# Altium PCB BW1097.PcbDoc (part 2 of 7) (continued)
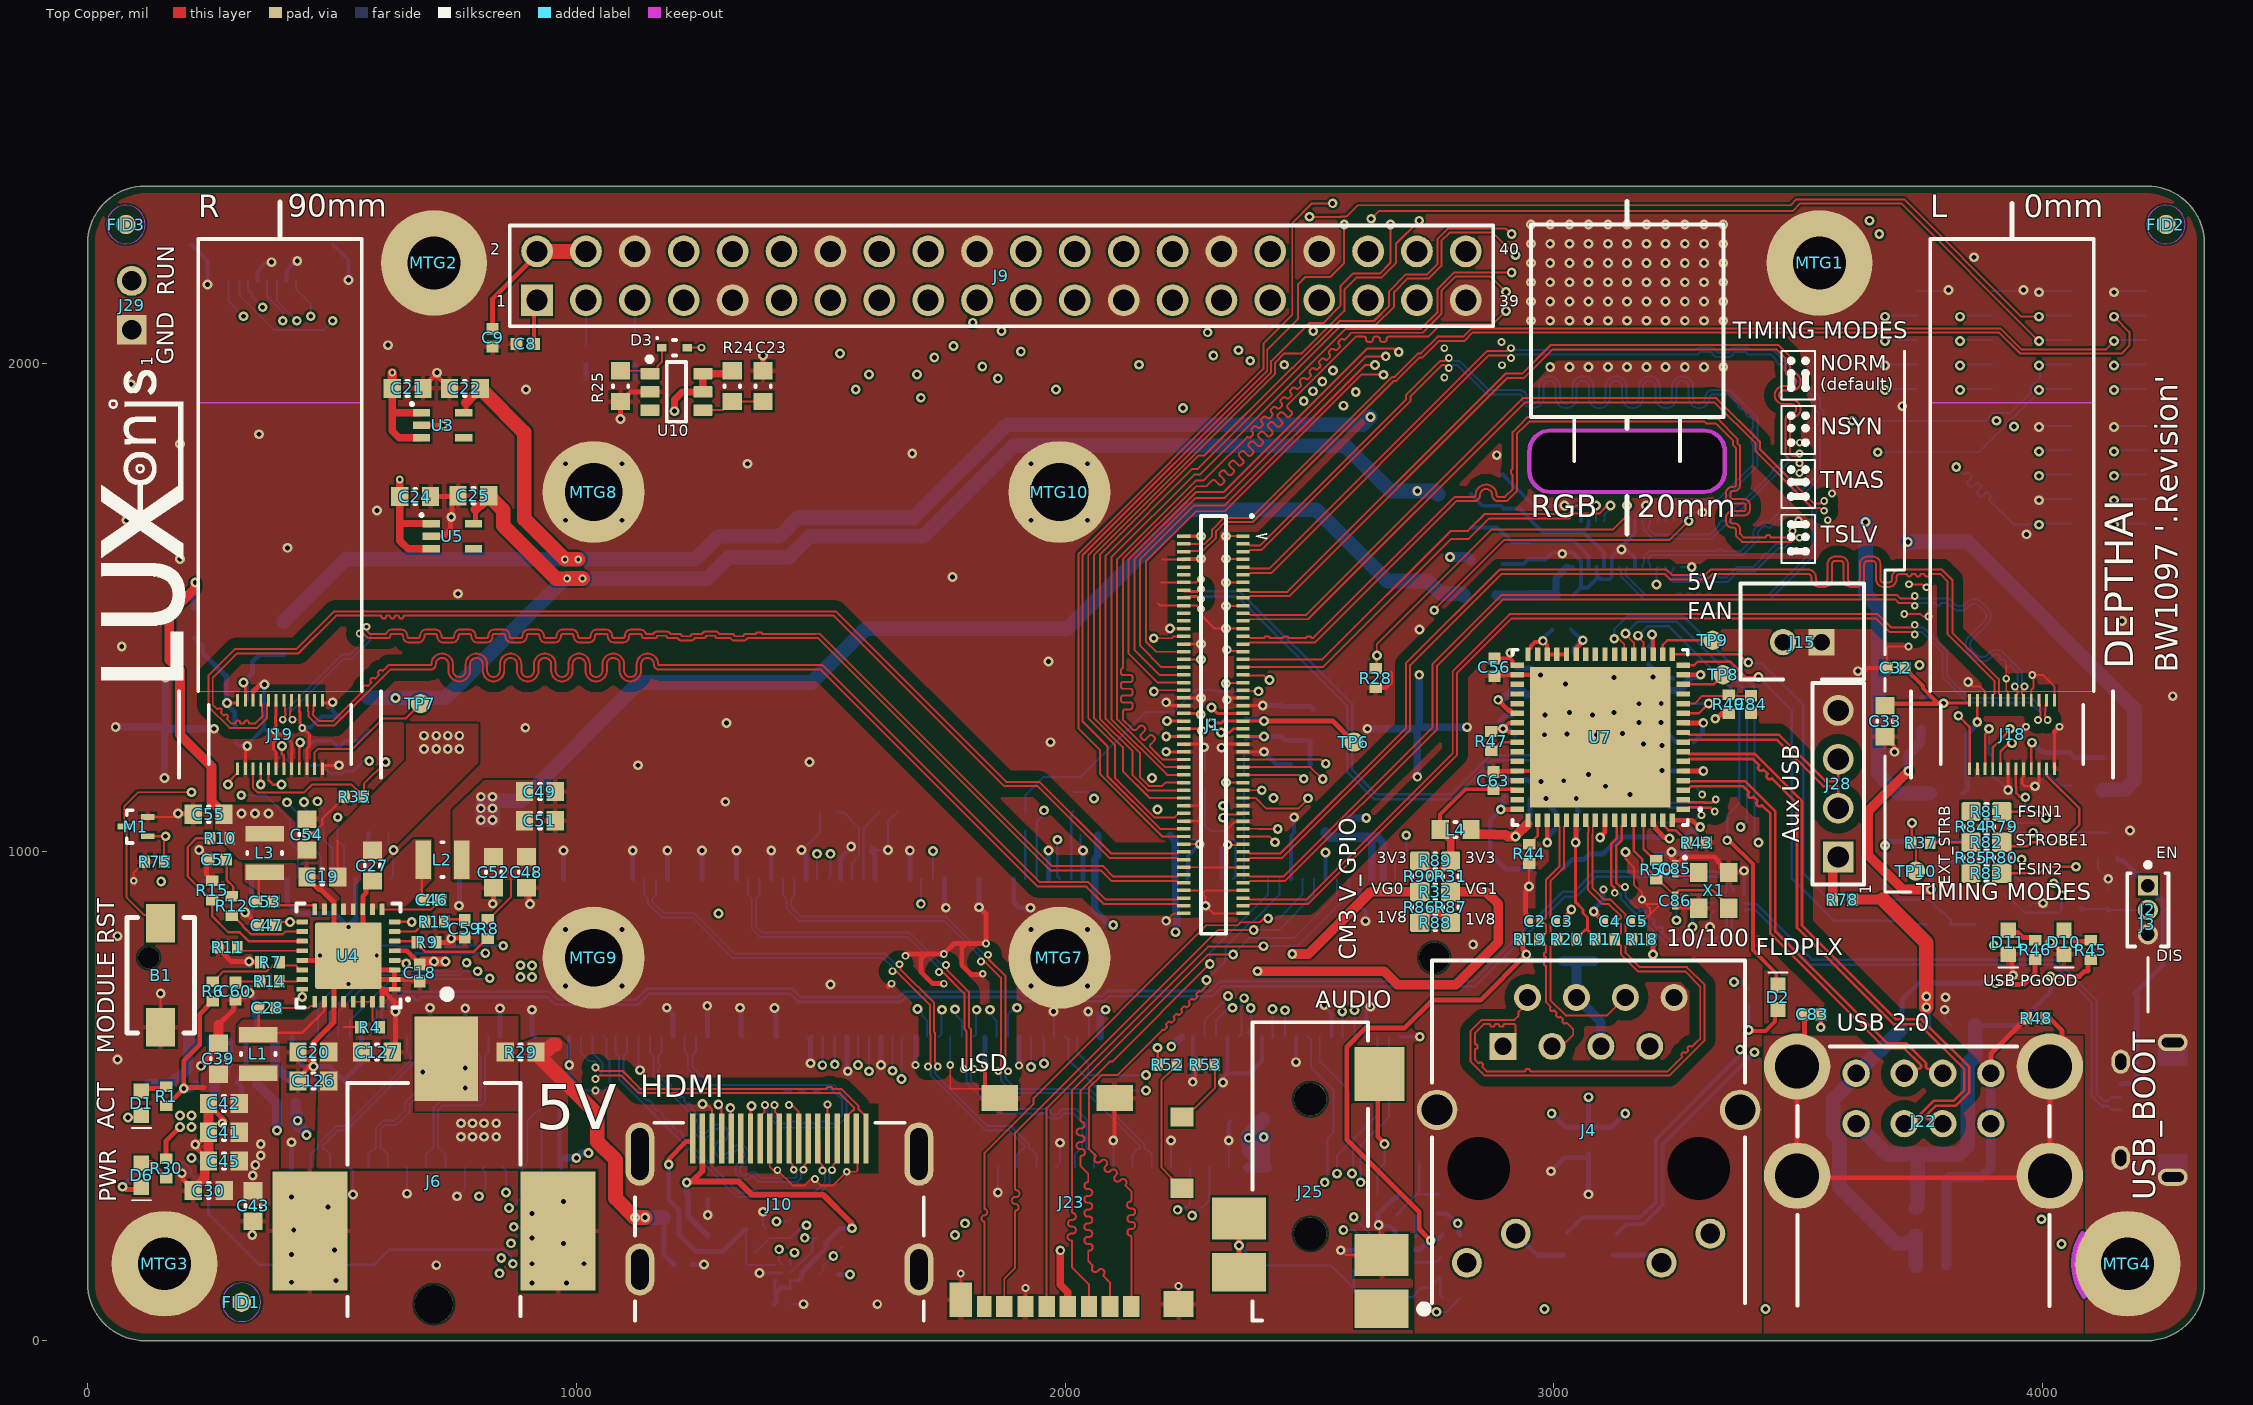
[diagram p0: Top Copper view]
## Part data (continued)
U10: "Padauk 8bit OTP Type IO Controller - (SOT-23-6)"
X1: library part 8Z-25.000MAAJ-T, "CRYSTAL 25.0000MHZ 18PF SMD", Case/Package=SMD/SMT, ESR (Equivalent Series Resistance)=100R, Frequency=25MHz, Frequency Stability=30ppm, Load Capacitance=18pF, Manufacturer 1=TXC, Max Operating Temperature=70°C, Min Operating Temperature=-10°C, Package Quantity=3000, Supplier Part Number 1=887-1145-1-ND, ComponentLink1Description=https://datasheet.ciiva.com/26833/getdatasheetpartid-743023-26833236.pdf?src-supplier=Verical, ComponentLink1URL=https://datasheet.ciiva.com/26833/getdatasheetpartid-743023-26833236.pdf?src-supplier=Verical, ComponentLink2Description=https://datasheet.ciiva.com/22698/1041872-22698773.pdf?src-supplier=Element14, ComponentLink2URL=https://datasheet.ciiva.com/22698/1041872-22698773.pdf?src-supplier=Element14, ComponentLink3Description=https://datasheet.ciiva.com/1356/number-crystal-basic-1356678.pdf?src-supplier=Element14, ComponentLink3URL=https://datasheet.ciiva.com/1356/number-crystal-basic-1356678.pdf?src-supplier=Element14, ComponentLink4Description=https://datasheet.ciiva.com/859/8z-859017.pdf?src-supplier=Digi-Key, ComponentLink4URL=https://datasheet.ciiva.com/859/8z-859017.pdf?src-supplier=Digi-Key, ComponentLink5Description=https://datasheet.ciiva.com/859/8z-859018.pdf?src-supplier=Digi-Key, ComponentLink5URL=https://datasheet.ciiva.com/859/8z-859018.pdf?src-supplier=Digi-Key, ComponentLink6Description=https://datasheet.ciiva.com/859/8z-859019.pdf?src-supplier=Digi-Key, ComponentLink6URL=https://datasheet.ciiva.com/859/8z-859019.pdf?src-supplier=Digi-Key, Depth=2.05mm, Frequency Tolerance=30ppm, Height=0.022inch, Lead Free="Lead Free", Length=2.5mm, Manufacturer Part Number 1=8Z-25.000MAAJ-T, Mount="Surface Mount", Number of Pins=4, Packaging="Tape and Reel", Pricing 1="1=1.36000, 10=1.30100, 50=1.27060, 100=1.08900, 500=1.05876, 1000=0.89238 (USD)", REACH SVHC="No SVHC", RoHS=Yes, Stock 1=7343, Supplier 1=Digi-Key, Supplier 2=Mouser, Supplier Part Number 2=717-8Z-25.000MAAJ-T, Termination=SMD/SMT, Tolerance=30ppm, Width=2mm

## Via types
v1: diameter 20, hole 10, Top Copper to Bottom Copper, tented both sides, 657 vias
v2: diameter 16, hole 8, Top Copper to Bottom Copper, tented both sides, 102 vias
v3: diameter 20, hole 10, Top Copper to Bottom Copper, 16 vias
v4: diameter 62.99/0/0/0/0/62.99 (per signal layer), hole 62.99, Top Copper to Bottom Copper, 1 vias
v5: diameter 43.31/50/50/50/50/43.31 (per signal layer), hole 43.31, Top Copper to Bottom Copper, 1 vias

## Nets (pads, with @x,y where several pads share a name; then routed paths per layer and width w, separated by ;. In a path a pad name is that pad's centre, name@x,y a point inside that pad or via, vN(x,y) a via of type N, cw(c..) or ccw(c..) an arc to the next point about the centre after c; other vN are vias at no path point)
1V2: C22.2 FB8.1 FB9.1 U3.5 | length 4753.7
  Top Copper w10: U3.5@773.89,1898.41 773.89,1918.61
  Top Copper w20: 773.89,1918.61 791.56,1936.28 793.53,1936.28 803.42,1946.17 C22.2@803.42,1948.13
  Top Copper w30: C22.2@803.42,1946.17 806.13,1943.45 808.1,1943.45 893.7,1857.85 893.7,1681.1 v2(976.38,1598.43) v2(1003.94,1598.43)
  Signal Layer 3 w30: v1(2624.45,1889.76) 2667.76,1933.07 3480.32,1933.07 3590.55,1822.83 3590.55,1775.59 3637.36,1728.79 v1(3637.36,1674.86)
  Bottom Copper w30: FB9.1@401.57,1470.93 401.57,1472.3 528.32,1599.05 528.94,1598.43 v2(976.38,1598.43) v2(1003.94,1598.43) 1243.23,1598.43 1290.57,1645.77 1415.77,1645.77 1453.07,1683.07 1689.66,1683.07 1880.6,1874.02 2608.7,1874.02 v1(2624.45,1889.76) ; v1(3637.36,1674.86) 3637.36,1527.39 3663.81,1500.94 3663.81,1159.91 3704.01,1119.71 FB8.1@3765.21,1119.71 FB8.1@3768.95,1119.71
1V2_L: C29.2 C31.2 FB8.2 J18.2 | length 197.4
  Top Copper w6: v1(3865.92,1265.72) 3865.92,1304.5 J18.2@3866.14,1304.72
  Bottom Copper w10: FB8.2@3836.27,1119.71 3844.88,1128.32 C31.2@3844.88,1184.23 C29.2@3844.88,1239.54 3864,1258.66 3864,1263.81 v1(3865.92,1265.72)
1V2_R: C36.2 C37.2 FB9.2 J19.2 | length 204.7
  Top Copper w6: J19.2@322.83,1304.72 v1@322.83,1346.45
  Top Copper w10: v1(318.9,1346.45) v1@322.83,1346.45
  Bottom Copper w10: C36.2@325.53,1310.61 325.53,1337.12 318.9,1343.75 v1(318.9,1346.45) 337.57,1365.13 337.57,1389.13 340.43,1391.99 352.05,1403.6 FB9.2@401.57,1403.6
1V05: C48.1 C49.1 C51.1 C52.1 FB3.1 L2.2 R8.2 | length 2587.8
  Top Copper w4: R8.2@818.9,862.2 820.87,862.2 866.14,907.48 866.14,954.33 848.39,972.08 848.39,974.05 832.68,989.76 C52.1@830.71,989.76
  Bottom Copper w30: FB3.1@2814.38,1525.42 2811.36,1528.43 2768.28,1528.43 2742.63,1554.09 2659.74,1554.09 2513.63,1700.2 2247.75,1700.2 2004.34,1456.79 1591.85,1456.79 1481.61,1346.56 1128.72,1346.56 887.03,1104.86 v1@828.59,1104.86 ; v1@828.59,1104.86 808.51,1104.86 808.51,1085.18 808.51,1065.49 v1(828.59,1065.49) 828.59,1085.18 v1@828.59,1104.86
  other v1: 804.57,1065.49 804.57,1089.12 828.59,1089.12 804.57,1112.74 828.59,1112.74
1V05_IMX378: C12.2 C13.2 FB3.2 J11.15 | length 202.6
  Bottom Copper w8: 3026.38,1582.68 J11.15@3039.37,1582.68
  Bottom Copper w15: C12.2@3003.98,1525.42 3003.98,1560.28 3026.38,1582.68
  Bottom Copper w20: FB3.2@2881.7,1525.42 2882.6,1524.52 2947.92,1524.52 2948.82,1525.42 C12.2@3003.98,1525.42
1V8: C54.1 C55.1 FB2.1 FB6.1 FB7.1 L3.2 R3.2 R10.2 R27.2 R63.1 R77.2 R86.1 R87.1 R88.1 R88.2 | length 7213.1
  Top Copper w15: R88.2@2725.53,855.43 2727.49,855.43 2737.71,865.64 2737.71,867.61 2751.03,880.93 2754.95,880.93 v1(2755.91,881.89) 2772.15,865.64 2778.3,865.64 R88.1@2788.52,855.43
  Top Copper w20: v1(220.47,1551.18) 220.47,1539.63 167.32,1486.48 167.32,1392.46 188.98,1370.81 188.98,1239.42 253.87,1174.53 253.87,1102.53 269.65,1086.76 271.61,1086.76 279.33,1079.04 C55.1@279.33,1077.07 ; v1(3724.83,1165.2) 3642.75,1083.12 3642.75,993.98 3713.61,923.12 v1(3771.2,923.12)
  Signal Layer 2 w20: v1(314.96,1078.74) v1(342.52,1078.74) v1(370.08,1078.74) ; 2669.29,922.7 2669.29,949.92 2723.7,1004.33 2859.48,1004.33 2894.32,969.49 3273.43,969.49 3300,942.91 3364.86,942.91 3429.83,877.95 3726.02,877.95 v1(3771.2,923.12)
  Signal Layer 2 w30: v1(314.96,1078.74) 314.96,1039.85 431.68,923.13 1556.25,923.13 1557.26,922.11 1692.12,922.11 1692.71,922.7 2669.29,922.7 2715.1,922.7 v1(2755.91,881.89)
  Signal Layer 3 w10: v1(212.6,374.02) 285.09,301.53 ; v1(1290.57,874.01) 1290.57,694.48 1310.26,674.8 1310.26,641.25 1334.64,616.86 1334.64,470.17 1335.13,469.68 1335.13,350.63 1414.11,271.66 1409.45,267 v1(1409.45,244.09)
  Signal Layer 3 w20: v1(429.86,450.19) 430.25,450.19 448.13,432.31 v1(448.13,421.08)
  Signal Layer 3 w30: 285.09,301.53 353.82,301.53 448.13,395.84 v1(448.13,421.08) ; v1(2755.91,881.89) 2668.83,968.96 2668.83,1484.8 v1(2787.4,1603.36)
  Bottom Copper w4: v1(212.6,374.02) 214.57,372.05 222.43,372.05 226.15,368.33 226.15,366.36 234.97,357.53 R77.2@236.94,357.53 R77.2@240.15,354.33 ; v1(1409.45,244.09) 1432.02,244.09 R27.2@1437.73,249.8
  Bottom Copper w10: v1(3771.2,923.12) 3771.2,955.07 3794.87,978.74 3874.02,978.74 R3.2@3874.02,980.71
  Bottom Copper w20: FB7.1@220.47,1502.42 v1(220.47,1551.18) ; R63.1@425.2,488.19 425.2,470.36 ; v1(2787.4,1603.36) 2823.61,1603.36 FB2.1@2830.71,1596.26 ; v1(3724.83,1165.2) 3724.83,1198.89 3750.17,1224.23 3750.17,1248.01 FB6.1@3751.97,1249.8 ; 425.2,470.36 429.86,465.7 v1(429.86,450.19) 429.86,443.2 448.13,424.93 v1(448.13,421.08) 425.2,444.01 425.2,470.36
1V8_IMX378: C14.2 C15.2 FB2.2 J11.13 | length 283.3
  Bottom Copper w8: FB2.2@2830.71,1663.58 2882.89,1663.58 C15.2@2894.16,1652.32 2896.12,1652.32 2909.84,1638.6 2909.84,1638.35 2914.53,1633.67 C14.2@2947.05,1633.67 ; C14.2@2952.73,1636.77 3040.39,1636.77 3062.99,1614.17 3062.99,1613.19 3070.87,1605.31 J11.13@3070.87,1582.68
1V8_L: C32.2 C33.2 FB6.2 J18.1 | length 325.1
  Top Copper w6: v1@3805.97,1304.72 J18.1@3850.35,1304.72
  Top Copper w8: C32.2@3716.9,1376.6 3754.53,1338.97 3754.53,1334.81 3783.95,1305.39 ; v1(3797.06,1304.17) 3797.61,1304.72 v1@3805.97,1304.72
  Top Copper w10: C33.2@3677.17,1298.65 3681.58,1303.06 3795.95,1303.06 v1(3797.06,1304.17)
  Bottom Copper w8: FB6.2@3751.97,1317.13 3752.31,1316.79 3773.04,1316.79 3785.65,1304.17 v1(3797.06,1304.17)
1V8_R: C38.2 C40.2 FB7.2 J19.1 | length 237.8
  Top Copper w6: v1(285.43,1304.72) J19.1@307.09,1304.72
  Bottom Copper w10: FB7.2@218.7,1437.27 235.75,1420.22 235.75,1406.96 282.22,1360.49 C40.2@284.19,1360.49 v1@284.19,1303.26 ; v1(285.43,1304.72) 284.19,1303.48 v1@284.19,1303.26 ; C38.2@302.55,1259.01 301.23,1260.33 301.23,1286.22 v1@284.19,1303.26
2V8: C25.2 FB1.1 FB4.1 FB5.1 R65.1 U5.5 | length 6227.2
  Top Copper w10: U5.5@793.5,1671.26 793.5,1700.79
  Top Copper w20: 793.5,1700.79 801.84,1709.13 803.81,1709.13 821.05,1726.38 C25.2@821.05,1728.35
  Top Copper w30: C25.2@821.05,1726.38 823.77,1723.66 825.74,1723.66 850.39,1699.01 850.39,1667.09 958.59,1558.89 v2(981.26,1559.31) v2(1012.54,1559.31) ; C25.2@821.05,1728.35 C25.2@823.77,1731.06
  Signal Layer 2 w30: v1(387.34,429.86) 387.34,614.08 121.62,879.8 121.62,1072.08 237.62,1188.08 254.75,1188.08 401.73,1335.05 589.09,1335.05 609.19,1314.96 v1(629.92,1314.96)
  Signal Layer 3 w30: v1(2720.46,1738.13) 2757.23,1738.13 2915.84,1579.52 3198.59,1579.52 3200.59,1581.52 3224.61,1581.52 3252.45,1553.68 3643.48,1553.68 v1(3723.85,1634.05)
  Bottom Copper w20: R65.1@346.46,527.56 346.46,525.59 387.34,484.71 v1(387.34,429.86)
  Bottom Copper w30: FB5.1@574.8,1315.47 732.38,1315.47 975.96,1559.06 1268.05,1559.06 1311.75,1602.76 1434.91,1602.76 1477.93,1645.77 1710.27,1645.77 1895.21,1830.71 2573.4,1830.71 2665.98,1738.13 v1(2720.46,1738.13) 2756.6,1738.13 FB1.1@2762.8,1731.93 ; v1(3723.85,1634.05) 3846.27,1634.05 4187.51,1292.81 4187.51,1147.27 4167.24,1127 4123.24,1127 FB4.1@4123.24,1125.63
2V8_IMX378: C16.2 C17.2 FB1.2 J11.11 J11.18 | length 378.8
  Bottom Copper w8: FB1.2@2830.12,1731.93 2853.98,1708.07 2891.33,1708.07 2897.01,1702.4 2929.15,1702.4 2976.72,1654.82 3059.59,1654.82 ; J11.18@3070.54,1677.5 J11.18@3070.87,1677.17 3070.87,1666.1 3059.59,1654.82 ; J11.11@3102.36,1582.68 3102.36,1612.05 3059.59,1654.82
2V8_L: C34.2 C35.2 FB4.2 J18.16 | length 214.6
  Top Copper w6: J18.16@3976.38,1170.28 3976.38,1224.8 v1(3977.76,1223.43)
  Bottom Copper w10: v1(3977.76,1223.43) 3995.43,1205.75 4000.83,1205.75 C34.2@4003.36,1203.22 4054.51,1203.22 C35.2@4058.84,1198.89 4064.78,1192.95 FB4.2@4123.24,1192.95
2V8_R: C44.2 C50.2 FB5.2 J19.16 | length 212.6
  Top Copper w6: J19.16@433.07,1175.59 v1@433.07,1217.49
  Top Copper w8: v1@433.07,1217.49 437.01,1221.43 435.01,1223.43 v1(435.01,1223.58)
  Bottom Copper w8: v1(435.01,1223.58) 460.73,1223.58 464.57,1227.41 498.65,1227.41 512.43,1213.64 C50.2@514.4,1213.64 528.11,1227.35 555.38,1227.35 574.8,1246.77 FB5.2@574.8,1248.15
3V3: C8.2 C30.1 C39.1 C41.1 C42.1 C43.1 C45.1 C56.1 C58.2 C61.2 C62.2 C63.2 C64.2 C87.2 J4.9 J4.12 J9.1 J9.17 J13.P1 J13.P2 J14.P1 J23.4 L1.2 L4.1 R1.2 R5.2 R6.2 R26.2 R31.2 R38.1 R47.1 R49.1 R51.1 R54.2 R55.2 R56.2 R57.2 R58.2 R66.1 R89.1 R89.2 R90.2 U6.9 U7.19 U7.27 U7.33 U7.39 U7.40 U7.46 | length 2833.4
  Top Copper w4: C43.1@337.71,306.21 C43.1@338.58,307.09
  Top Copper w8: C8.2@913.39,2039.37 913.39,2122.05 J9.1@919.68,2128.35 ; R90.2@2725.53,981.41 2725.53,979.44 2739.24,965.73 R90.2@2741.21,965.73 ; v1@2754.18,952.76 v1(2755.91,952.76) 2758.2,955.05 v1@2762.16,955.05 ; R89.1@2772.83,965.73 2774.8,965.73 2788.52,979.44 R89.1@2788.52,981.41 ; L4.1@2782.81,1029.94 2780.84,1029.94 2767.13,1043.66 L4.1@2767.13,1045.63 2767.13,1076.41 2818.89,1128.17 C63.2@2875.99,1128.17 2922.83,1128.17 U7.46@2924.8,1126.2 ; R47.1@2871.65,1246.28 2877.33,1251.97 v1(2895.45,1251.97) ; C56.1@2877.95,1395.67 2910.53,1395.67 ; v1(2910.53,1407.15) 2910.53,1395.67 ; U7.40@2924.8,1244.31 2908.76,1244.31 2901.11,1251.97 v1(2895.45,1251.97) ; U7.39@2924.8,1264 2907.48,1264 v1(2895.45,1251.97) ; U7.33@2924.8,1382.11 2916.73,1382.11 2915.22,1383.62 2915.22,1390.98 2910.53,1395.67 ; v1(3200.78,1444.88) 3202.76,1442.9 U7.19@3202.76,1404.16
  Top Copper w10: R1.2@161.42,480.31 163.39,480.31 169.21,486.14 169.21,488.11 195.7,514.6 199.64,514.6 198.49,515.75 v1(196.85,515.75) ; 238.25,517.72 207,517.72 206.18,516.9 198,516.9 v1(196.85,515.75) ; R6.2@256.37,694.73 254.41,694.73 248.58,688.91 248.58,686.94 229.46,667.82 229.46,605.29 196.85,572.68 v1(196.85,515.75) ; U7.27@3045.28,1404.16 3045.28,1416.29 3055.72,1426.74 3057.6,1426.74 3057.6,1431.62 v1(3059.05,1433.07) ; v1(3329.83,1272.38) 3332.53,1272.38 3344.29,1284.14 R49.1@3357.63,1284.14
  Top Copper w15: v1(1990.05,184.87) 1990.05,114.63 2005.31,99.36 J23.4@2005.31,69.88 ; R90.2@2741.21,965.73 v1@2754.18,952.76 ; v1@2762.16,955.05 R89.1@2772.83,965.73 ; L4.1@2782.81,1029.94 2788.52,1024.24 R89.1@2788.52,981.41
  Signal Layer 3 w10: v1(3329.83,1272.38) 3329.83,1276.41 3325.92,1280.32 3323.98,1278.38 3323.98,1274.75 3324.54,1274.19 3324.54,1256.13 3323.98,1255.56 3323.98,1174.01 3324.54,1173.44 3324.54,1168.15 3458.61,1034.08 3666.7,1034.08 3677.17,1023.61 v1(3677.17,1012.83)
  Bottom Copper w4: R66.1@221.39,526.41 R66.1@221.79,526.02
  Bottom Copper w6: v1(3283.46,846.45) v1(3283.46,846.45) 3283.5,880.15 3299.18,895.82 U6.9@3328.38,895.82
  Bottom Copper w8: R57.2@971.12,478.03 965.29,472.2 965.29,357.55 J14.P1@968.5,354.33 968.5,366.2 J14.P1@976.32,374.02 ; R51.1@3035.04,1454.97 v1@3056.94,1433.07 ; C58.2@3039.62,1408.08 3039.62,1415.95 3041.57,1417.9 3041.57,1419.44 3055.2,1433.07 v1@3056.94,1433.07 ; v1(3059.05,1433.07) v1@3056.94,1433.07 ; C61.2@3192.91,1419.29 3200.78,1427.16 v1@3200.78,1440.94 ; v1(3368.52,733.76) 3384.65,733.76 3391.6,726.81 3391.6,724.84 3396.46,719.98 R5.2@3398.43,719.98
  Bottom Copper w10: 1019.68,1968.5 R54.2@1019.68,1996.06 ; 1119.68,1968.5 R55.2@1119.68,1997.05 ; R26.2@1536.55,135.3 v1(1559.78,135.3) ; 2894.16,1262.09 2888.53,1267.71 2899.61,1278.8 2913.81,1278.8 C64.2@2921.01,1286 ; C62.2@2920.67,1238.8 2907.51,1251.97 v1(2895.45,1251.97) ; v1(3677.17,1012.83) 3677.17,1015.75 3682.24,1020.83 3686.49,1020.83 3686.57,1020.92 R38.1@3874.02,1020.92 ; v1(2895.45,1251.97) 2886.62,1251.97 2895.45,1260.79 v1(2895.45,1251.97)
  Bottom Copper w15: v1(196.85,515.75) 209.68,515.75 210.6,514.83 R66.1@221.79,526.02 ; J14.P1@976.32,374.02 v1(1000,374.02) 1009.84,383.86 v1(1025.13,383.86) ; R58.2@2579.72,1069.49 R58.2@2581.69,1069.49 ; R58.2@2582.52,1070.31 R58.2@2581.69,1069.49 ; v1(2615.86,1069.49) 2591.09,1069.49 2586.39,1064.79 R58.2@2581.69,1069.49
  Bottom Copper w20: J13.P2@2374.02,354.33 J13.P1@2413.39,354.33
  Bottom Copper w30: C87.2@2404.53,452.66 2404.53,450.69 2375.35,421.51 v1(2375.35,415) 2375.35,389.56 J13.P2@2377.15,387.76 ; v1(2406.25,416.86) v1@2404.39,415 ; J13.P2@2377.15,387.76 2389.87,400.48 v1@2404.39,415 ; J13.P2@2377.15,387.76 2401.57,363.34 2404.39,366.15 v1@2404.39,415
  other v1: 337.99,337.85 343.24,359.66 354.33,378.91 354.33,402.47 885.83,744.09 909.45,744.09 909.45,767.72 885.83,768.19
3V3_VDDA: C65.2 C66.2 C67.2 C68.2 C69.2 C70.2 C71.2 C95.2 L4.2 R17.2 R18.2 R19.2 R20.2 R21.2 R40.1 U7.5 U7.10 U7.49 U7.51 U7.54 U7.57 U7.64 U9.5 | length 2082.4
  Top Copper w6: v1@3044.76,1020.14 3044.39,1019.77 v1(3044.39,1018.98) 3044.39,896.98 3059.38,881.99 3059.38,874.86 3068.31,865.93 3068.31,840.42 3072.01,836.72 3072.01,835.89 3084.73,823.17 R17.2@3084.73,821.21 ; U7.54@3044.76,1064.27 U7.54@3045.28,1064.79 ; R20.2@3046.18,821.1 3046.18,823.07 3063.54,840.42 3065.51,840.42
  Top Copper w10: v1(2748.03,204.72) 2724.28,228.47 2724.28,263.25 2575.99,411.54 2575.99,600.93 2614.91,639.84 2694.45,639.84 2751.46,696.85 2849.97,696.85 v1(2943.43,790.31) 2943.43,793.01 2936.85,799.59 2936.85,815.28 R19.2@2931.03,821.1 ; U7.49@2946.34,1057.48 2946.85,1057.99 U7.49@2946.85,1064.79 ; v1(2986.22,1018.98) U7.51@2986.22,1064.79 ; v1@3044.76,1020.14 U7.54@3044.76,1064.27 ; v1(3094.49,1029.19) 3094.49,1029.87 3103.82,1039.2 3103.82,1064.27 U7.57@3104.33,1064.79 ; R18.2@3199.13,821.21 3202.41,817.93 v1(3202.41,790.31) ; U7.64@3242.13,1064.79 3282.9,1064.79 3296.56,1051.13 v1(3299.1,1051.13) ; U7.5@3264.17,1165.57 v1(3305.54,1165.57) ; U7.10@3264.17,1264 v1(3305.54,1264)
  Top Copper w20: L4.2@2830.12,1043.66 2837.83,1035.94 2877.83,1035.94 2878.76,1035.02 2901.17,1035.02 2904.69,1031.49 v1(2921.25,1031.49) ; v1@2922.16,1033.3 U7.49@2946.34,1057.48
  Bottom Copper w10: U9.5@2716.08,186.23 2725.92,186.23 2734.64,194.95 2737.52,194.95 2747.3,204.72 v1(2748.03,204.72) ; v1@2752.03,202.82 2752.03,206.03 2755.34,209.33 2765.14,209.33 C95.2@2772.34,216.54 ; v1(2921.25,1031.49) 2921.25,1032.29 2938.53,1049.57 2938.53,1059.35 2941.42,1059.35 2950.79,1068.72 C71.2@2950.79,1108.25 ; v1(2943.43,790.31) 2957.04,776.69 R21.2@2979.67,776.69 ; v1(2986.22,1018.98) 2988.13,1020.89 2988.13,1032.34 C70.2@3002.07,1046.28 ; v1(3044.39,1018.98) 3046.3,1020.89 3046.3,1042.64 C69.2@3050.51,1046.85 ; v1(3094.49,1029.19) 3094.49,1029.87 3105.09,1040.47 C65.2@3105.09,1073.05 ; C67.2@3271.22,1036.02 3278.42,1043.23 3288.5,1043.23 3296.4,1051.13 v1(3299.1,1051.13) ; R40.1@3280.43,1264 v1(3305.54,1264) 3303.63,1262.09 3303.63,1242.33 C68.2@3285.93,1224.63 ; C66.2@3281.89,1165.57 v1(3305.54,1165.57)
5V_IN: J6.1 R29.2
  other v1: 772.77,516.73 685.76,549.43 772.77,557.62
2485_PGOOD: J1.37 J5.5 R74.1 | length 3438.5
  Top Copper w4: J1.37@2364.92,1362.31 2366.09,1361.14 2406.25,1361.14 2415.59,1351.8 v1(2417.72,1351.8) ; v1(2625.98,2295.28) 2641.73,2311.02 3488.01,2311.02 3503.63,2326.65 3710.36,2326.65 v1(3992.13,2044.88)
  Signal Layer 2 w4: v1(2059.06,1109.36) 2060.17,1110.47 2199.06,1110.47 2199.7,1109.83 2308.21,1109.83 2308.46,1110.09 2315.95,1110.09 2316.2,1110.34 2329.46,1110.34 2329.71,1110.09 2425.92,1110.09 v1(2426.31,1110.47)
  Signal Layer 3 w4: v1(2426.31,1110.47) 2426.31,1338.88 2417.72,1347.47 v1(2417.72,1351.8) 2417.72,2038.97 2374.02,2082.68 2374.02,2161.42 2389.64,2177.04 2547.12,2177.04 2570.87,2200.79 2570.87,2240.16 v1(2625.98,2295.28)
  Bottom Copper w4: R74.1@2016.4,1122.27 2046.14,1122.27 v1(2059.06,1109.36) ; v1(3992.13,2044.88) 3994.49,2047.24 J5.5@4057.09,2047.24
2485_WAKEUP: J1.41 J5.7 R76.1 | length 3380.9
  Top Copper w4: J1.41@2364.92,1330.81 2366.09,1329.64 2394.44,1329.64 v1(2395.61,1328.47) ; v1(2500,2299.21) 2563.99,2299.21 2564.24,2299.46 2575.06,2299.46 2598.43,2322.83 3484.25,2322.83 3496.06,2334.65 3716.54,2334.65 3956.3,2094.88 v1(3992.13,2094.88)
  Signal Layer 3 w4: v1(2395.61,1328.47) 2395.61,2049.77 2366.02,2079.36 2366.02,2164.73 2386.32,2185.04 2448.82,2185.04 2468.5,2204.72 2468.5,2267.72 v1(2500,2299.21)
  Bottom Copper w4: R76.1@1918.44,1081.35 1918.44,1115.73 1955.61,1152.9 2031.15,1152.9 2164.32,1286.08 2220.67,1286.08 2265.65,1331.06 2304.22,1331.06 2307.06,1328.22 2340.19,1328.22 2340.44,1328.47 v1(2395.61,1328.47) ; v1(3992.13,2094.88) 3994.49,2097.24 J5.7@4057.09,2097.24
AudioL: C93.1 J25.3 J25.6 R69.2 | length 471.1
  Top Copper w10: J25.6@2351.97,139.76 2355.45,143.24 v1(2355.45,194.88) 2355.45,246.52 J25.3@2351.97,250
  Bottom Copper w5: v1(2355.45,194.88) 2396.42,153.91 2544.06,153.91 C93.1@2590.55,107.42 ; R69.2@2590.55,145.67 C93.1@2590.55,107.42 ; C93.1@2590.55,107.42 2603.48,94.49 C93.1@2603.48,88.58 2590.55,101.51 C93.1@2590.55,107.42
AudioR: C96.1 J25.2 R73.2 | length 258
  Top Copper w10: J25.2@2639.37,545.28 2639.37,416.86 v1(2653.54,402.69)
  Bottom Copper w5: R73.2@2638.91,299.21 2638.91,347.57 C96.1@2653.54,362.2 v1(2653.54,402.69)
AUTOMDIX_EN: R47.2 U7.41 | length 60.5
  Top Copper w5: R47.2@2871.65,1206.91 2873.62,1206.91 2891.33,1224.63 U7.41@2924.8,1224.63